# Altium PCB STB_LightBoard.PcbDoc (part 14 of 31)
Units mm, origin at the board's own origin, x right, y up, seen from the top; angles counter-clockwise.
Board outline 348 x 348 mm, 2 copper layers (Top Layer, Bottom Layer), stack 1.672 mm thick; 3807 components, 3391 nets, 11616 pads, 2553 vias.
Unrouted connection lines stored in the file: 68.
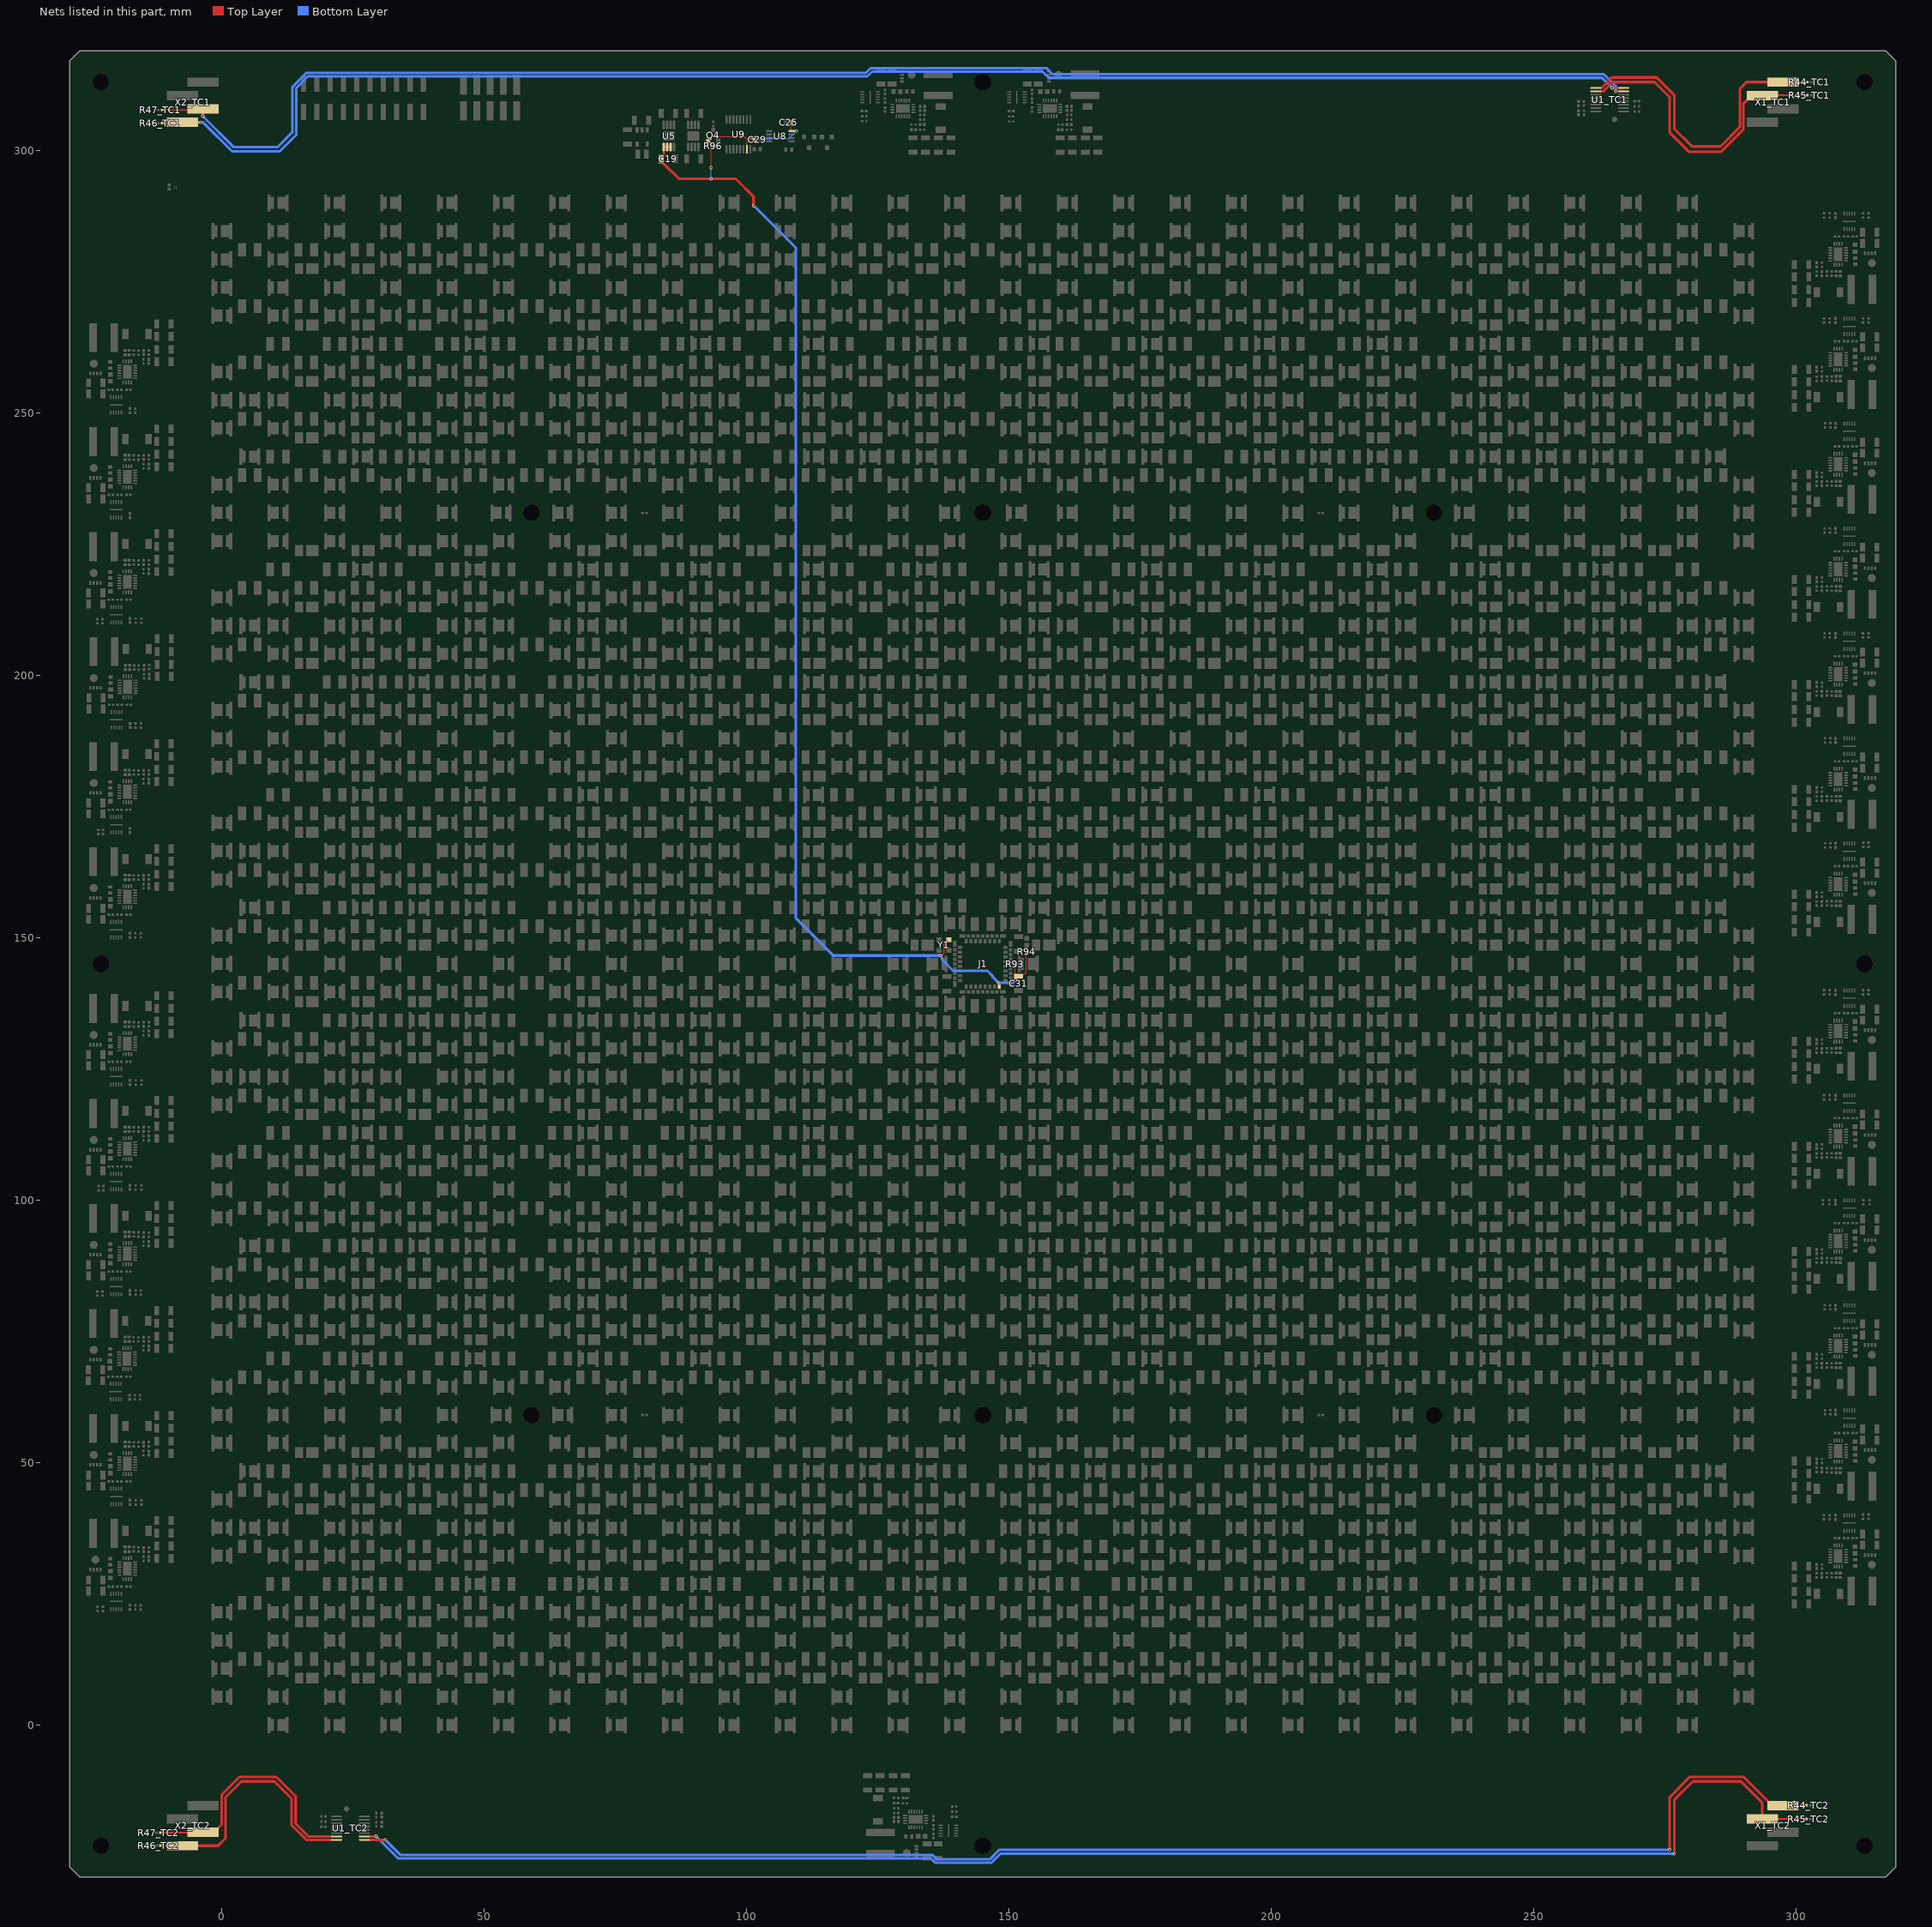
[diagram p14: the nets of this part, all layers, seen from the top]

## Via types
v1: diameter 0.604, hole 0.3, Top Layer to Bottom Layer, tented both sides, 2553 vias

## Nets (pads, with @x,y where several pads share a name; then routed paths per layer and width w, separated by ;. In a path a pad name is that pad's centre, name@x,y a point inside that pad or via, vN(x,y) a via of type N, cw(c..) or ccw(c..) an arc to the next point about the centre after c; other vN are vias at no path point) (continued)
CAM_VIO: C19.1 C25.1 C29.1 C31.1 J1.16 Q4.1 R93.1 R94.1 R96.1 U5.1 U5.2 U5.3 U8.8 U9.15 Y1.4 | length 259.2
  Top Layer w0.2: v1(93.263,296.714) 93.256,296.72 93.256,300.81 93.273,300.827 92.883,301.217 92.883,301.667 Q4.1@92.7,301.85 92.7,301.9 93,302.2 93.05,302.2 93.45,302.6 99.5,302.6 100.075,302.025 ; U9.15@100.075,300.225 100.075,302.025 ; C29.1@101.448,302.133 101.448,302.167 101.247,302.369 100.855,302.369 v1(100.823,302.401) 100.784,302.361 100.411,302.361 100.075,302.025 ; C25.1@108.6,305.325 108.55,305.275 U8.8@108.55,303.7 108.562,303.688 109.463,303.688 v1(109.475,303.675) ; R93.1@151.2,144.625 151.2,143.025 151.563,142.662 C31.1@151.8,142.662 152.163,143.025 152.917,143.025 153.263,143.371 R94.1@153.263,146.858
  Top Layer w0.25: v1@137.2,146.6 137.6,147 137.6,148.7 138.175,149.275 138.175,149.325 138.5,149.65 Y1.4@138.55,149.65
  Top Layer w0.4: C19.1@83.525,298.833 C19.1@83.738,298.62 ; C19.1@83.738,298.738 84.225,299.225 U5.1@84.225,300.65 U5.2@84.875,300.65 U5.3@85.525,300.65
  Top Layer w0.5: C19.1@83.738,298.62 C19.1@83.738,297.962 ; C19.1@83.738,298.738 C19.1@83.738,298.35 C19.1@83.738,297.963 ; v1@101.336,289.453 101.337,289.454 101.337,289.526 101.336,289.527 101.336,291.194 97.942,294.588 v1(93.253,294.588) 93.241,294.6 87.1,294.6 83.95,297.75 C19.1@83.738,297.962 ; v1(147.976,141.453) 147.976,141.425 148.15,141.25 J1.16@148.15,140.69 ; v1(151.3,141.9) 151.3,142.45 151.513,142.662 C31.1@151.563,142.662
  Bottom Layer w0.2: v1(93.253,294.588) 93.258,294.593 93.258,296.709 v1(93.263,296.714) ; v1(100.823,302.401) 105.296,302.401 ; 103.471,302.376 103.642,302.205 108.005,302.205 v1(109.475,303.675)
  Bottom Layer w0.5: v1@101.569,289.268 109.417,281.421 109.417,153.724 116.544,146.597 v1(136.9,146.597) 136.9,146.569 137.243,146.226 137.243,145.841 139.376,143.708 145.891,143.708 146.917,142.683 146.917,142.512 147.989,141.439 150.811,141.439 151.272,141.9 v1(151.3,141.9)
  other v1: 101.357,289.432
FAN_CONTROL1_TC1: R44_TC1.1 U1_TC1.1 X1_TC1.4 | length 58.6
  Top Layer w0.3: X1_TC1.4@297.515,313 R44_TC1.1@302.125,313
  Top Layer w0.5: 262.906,311.9 264.906,313.9 273.408,313.9 276.75,310.558 276.75,304.15 280.15,300.75 285.589,300.75 289.25,304.411 289.25,311.7 290.55,313 X1_TC1.4@297.515,313
FAN_CONTROL1_TC2: R44_TC2.1 U1_TC2.1 X1_TC2.4 | length 290
  Top Layer w0.2: X1_TC2.4@297.515,-15.38 X1_TC2.4@297.595,-15.3
  Top Layer w0.254: U1_TC2.1@27.185,-21.878 U1_TC2.1@27.204,-21.897
  Top Layer w0.3: X1_TC2.4@297.595,-15.3 R44_TC2.1@301.95,-15.3
  Top Layer w0.5: U1_TC2.1@28.233,-21.893 29.674,-21.893 29.689,-21.878 v1(31.178,-21.878) ; v1(275.881,-23.754) 275.901,-23.734 275.901,-13.751 279.776,-9.876 289.916,-9.876 295.42,-15.38 X1_TC2.4@297.515,-15.38
  Bottom Layer w0.5: v1(31.178,-21.878) 34.027,-24.727 ; 34.1,-24.748 34.048,-24.748 34.027,-24.727 ; v1(275.881,-23.754) 148.2,-23.754 146.409,-25.545 136.232,-25.545 135.414,-24.727 34.027,-24.727
FAN_CONTROL2_TC1: R46_TC1.1 U1_TC1.16 X2_TC1.4 | length 293.7
  Top Layer w0.3: R46_TC1.1@-11.33,305.19 -7.705,305.19 X2_TC1.4@-7.515,305.38 ; v1(264.92,311.918) 264.951,311.888 267.105,311.888 U1_TC1.16@267.115,311.878
  Top Layer w0.5: X2_TC1.4@-7.515,305.38 -7.466,305.331 v1(-4.116,305.331)
  Bottom Layer w0.5: v1(-4.116,305.331) -3.555,305.331 1.971,299.805 11.05,299.805 14.194,302.95 14.194,311.877 16.424,314.107 123.029,314.107 123.924,315.002 156.421,315.002 157.6,313.823 263.016,313.823 v1(264.92,311.918)
FAN_CONTROL2_TC2: R46_TC2.1 U1_TC2.16 X2_TC2.4 | length 50.1
  Top Layer w0.2: R46_TC2.1@-11.693,-22.869 -11.563,-23 R46_TC2.1@-11.693,-22.869 ; R46_TC2.1@-11.693,-22.869 -11.718,-22.869 R46_TC2.1@-11.693,-22.869
  Top Layer w0.3: R46_TC2.1@-11.563,-23 X2_TC2.4@-7.515,-23
  Top Layer w0.5: X2_TC2.4@-7.515,-23 -0.7,-23 0.733,-21.567 0.733,-13.767 3.75,-10.75 10.05,-10.75 13.3,-14 13.3,-19.062 16.123,-21.885 U1_TC2.16@20.885,-21.885
FAN_SENSE1_TC1: R45_TC1.1 U1_TC1.2 X1_TC1.3 | length 56.8
  Top Layer w0.2: X1_TC1.3@293.585,310.46 X1_TC1.3@293.625,310.5
  Top Layer w0.3: X1_TC1.3@293.625,310.5 R45_TC1.1@302.125,310.5
  Top Layer w0.5: U1_TC1.2@262.832,311.248 262.837,311.244 263.251,311.244 265.007,313 273,313 275.9,310.1 275.9,303.381 279.579,299.702 285.64,299.702 289.958,304.02 289.958,308.928 291.49,310.46 X1_TC1.3@293.585,310.46
FAN_SENSE1_TC2: R45_TC2.1 U1_TC2.2 X1_TC2.3 | length 293.1
  Top Layer w0.2: X1_TC2.3@293.585,-17.92 X1_TC2.3@293.605,-17.9
  Top Layer w0.3: U1_TC2.2@27.185,-21.243 U1_TC2.2@27.195,-21.234 ; X1_TC2.3@293.605,-17.9 R45_TC2.1@301.925,-17.9
  Top Layer w0.5: U1_TC2.2@28.172,-21.241 29.305,-21.241 29.372,-21.174 v1(29.4,-21.174) ; v1(276.75,-24.55) 276.75,-14.272 280.272,-10.75 289.46,-10.75 293.487,-14.777 293.487,-17.832 X1_TC2.3@293.575,-17.92
  Bottom Layer w0.5: v1(29.4,-21.174) 29.4,-21.2 33.6,-25.4 135.1,-25.4 135.897,-26.197 146.703,-26.197 148.35,-24.55 v1(276.75,-24.55)
FAN_SENSE2_TC1: R47_TC1.1 U1_TC1.15 X2_TC1.3 | length 296
  Top Layer w0.2: X2_TC1.3@-3.7,307.7 X2_TC1.3@-3.595,307.805
  Top Layer w0.3: R47_TC1.1@-11.33,307.705 v1@-10.015,307.705 ; v1(-10.01,307.7) X2_TC1.3@-3.7,307.7 ; v1(265.643,311.243) U1_TC1.15@267.115,311.243
  Top Layer w0.5: v1(-3.603,306.505) X2_TC1.3@-3.603,307.797
  Bottom Layer w0.5: v1@-10.07,307.612 -10.01,307.672 v1(-10.01,307.7) ; v1(-3.603,306.505) 2.302,300.6 10.6,300.6 13.439,303.439 13.439,312.044 16.18,314.785 122.785,314.785 123.681,315.681 157.13,315.681 158.3,314.511 263.352,314.511 265.624,312.238 v1@265.624,311.262
FAN_SENSE2_TC2: R47_TC2.1 U1_TC2.15 X2_TC2.3 | length 48.1
  Top Layer w0.2: X2_TC2.3@-3.644,-20.519 X2_TC2.3@-3.585,-20.46
  Top Layer w0.3: R47_TC2.1@-11.718,-20.519 X2_TC2.3@-3.644,-20.519
  Top Layer w0.5: X2_TC2.3@-3.585,-20.46 -1.49,-20.46 0.005,-18.965 0.005,-13.287 3.396,-9.895 10.416,-9.895 14.089,-13.568 14.089,-18.789 16.533,-21.233 U1_TC2.15@20.916,-21.233